# KiCad board Untitled.kicad_pcb (continued)
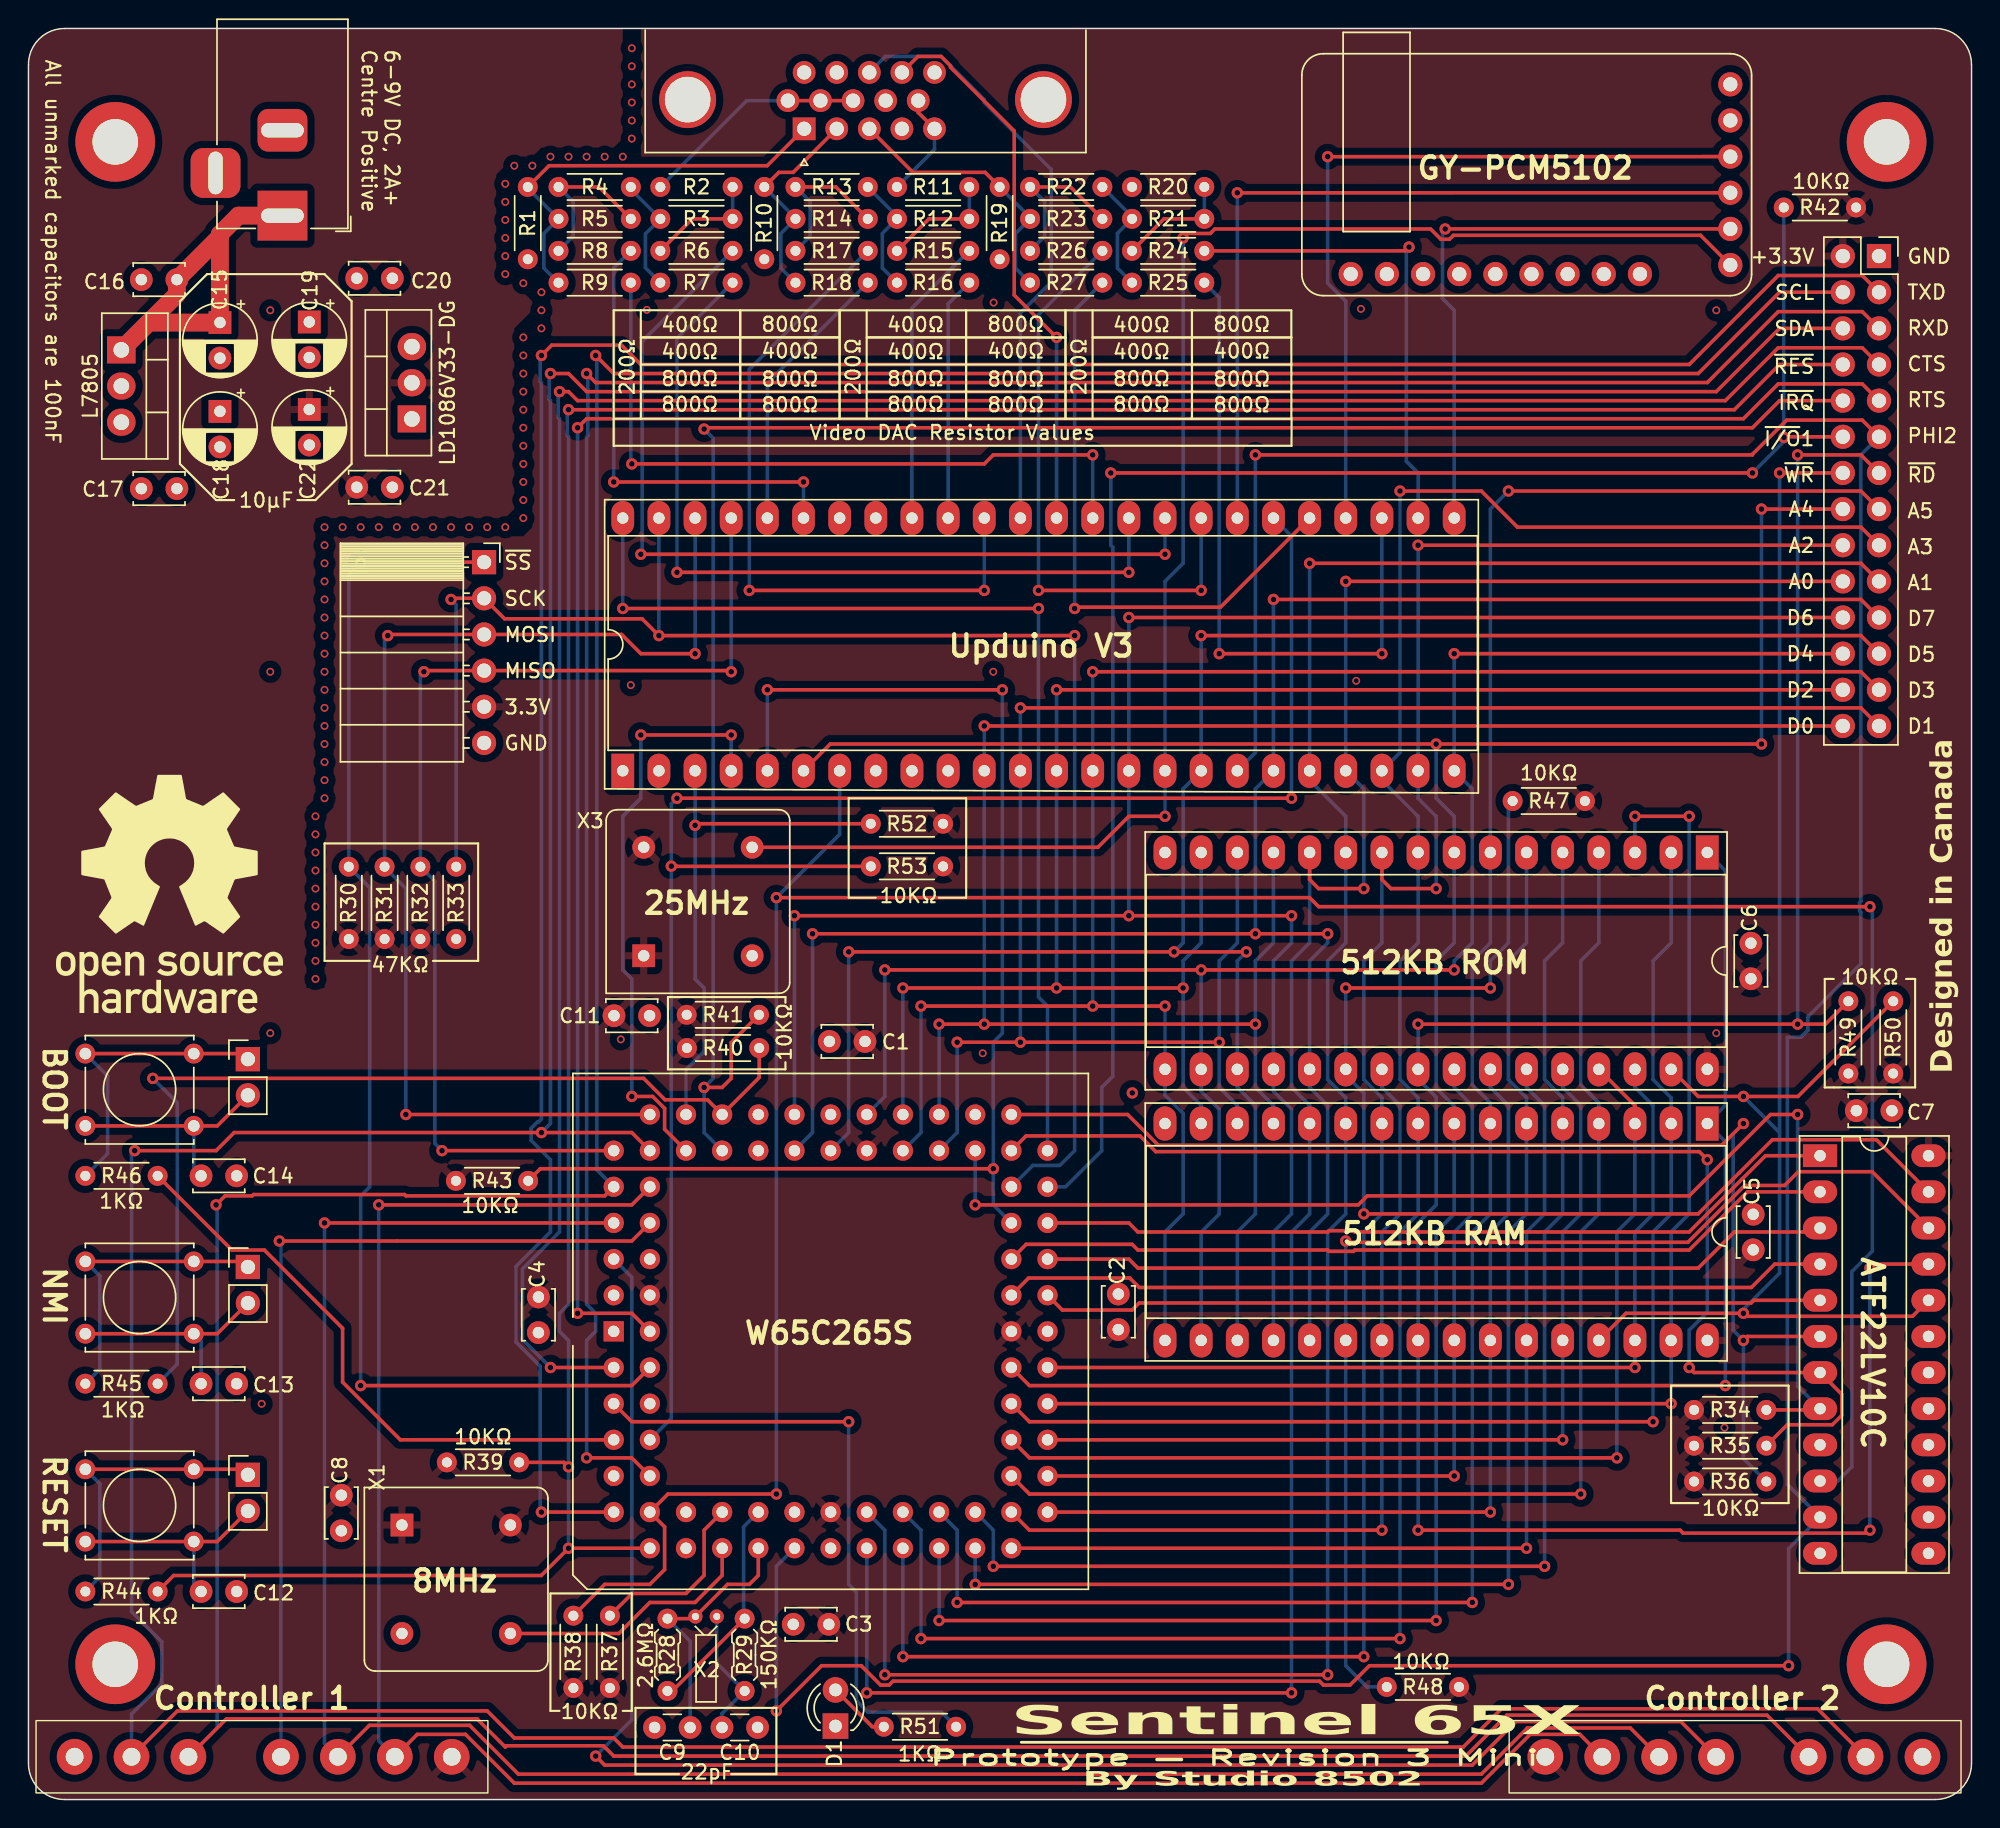
[diagram p0: board, top side]
## Footprints (pads in the part's own frame, mm; a bottom-side part is the same pattern mirrored in y, then rotated) (continued)
R_Axial_DIN0204_L3.6mm_D1.6mm_P5.08mm_Horizontal
  round 1.4 hole 0.7: 1(0,0)
  oval 1.4x1.4 hole 0.7: 2(5.08,0)
SNES Controller Port (Female, 90º, THT)
  round 2.5 hole 1.25: 1(-15.24,0) 2(-11.24,0) 3(-7.24,0) 4(-3.24,0) 5(3.26,0) 6(7.26,0) 7(11.26,0)
SW_Tactile_Straight_KSA0Axx1LFTR
  round 1.397 hole 0.813: 1(0,0) 1(7.62,0) 2(0,-5.08) 2(7.62,-5.08)
TO-220-3_Vertical
  rect 1.905x2 hole 1.1: 1(0,0)
  oval 1.905x2 hole 1.1: 2(2.54,0) 3(5.08,0)

## Nets
+3.3V: C1.1 C2.1 C3.1 C4.1 C5.1 C6.1 C7.1 C8.1 C11.1 C21.1 C22.1 J1.2 J3.1 J4.1 J5.5 R30.1 R31.1 R32.1 R34.1 R35.1 R36.1 R37.1 R38.1 R39.1 R40.1 R41.1 R42.1 R43.1 R47.1 R48.1 R49.1 R50.1 R52.1 R53.1 U1.23 U1.44 U1.63 U1.84 U2.32 U3.32 U4.24 U8.2 X1.1 X1.8 X3.1 X3.8
+5V: C17.1 C18.1 C19.1 C20.1 U5.8 U6.6 U7.3 U8.3
GND: C1.2 C2.2 C3.2 C4.2 C5.2 C6.2 C7.2 C8.2 C9.2 C10.2 C11.2 C12.2 C13.2 C14.2 C15.2 C16.2 C17.2 C18.2 C19.2 C20.2 C21.2 C22.2 D1.1 H1.1 H2.1 H3.1 H4.1 J1.1 J2.0 J2.5 J2.6 J2.7 J2.8 J2.10 J3.7 J4.7 J5.6 J9.2 R1.2 R2.1 R10.2 R11.1 R19.2 R20.1 R33.2 U1.1 U1.22 U1.43 U1.64 U2.16 U3.16 U4.12 U5.1 U5.10 U5.42 U6.5 U7.2 U8.1 X1.4 X3.4
/A0: J1.20 U1.24 U2.12 U3.12 U5.21
/A1: J1.19 U1.25 U2.11 U3.11 U5.20
/A2: J1.18 U1.26 U2.10 U3.10 U5.23
/A3: J1.17 U1.27 U2.9 U3.9 U5.22
/A4: J1.16 U1.28 U2.8 U3.8 U5.6
/A5: J1.15 U1.29 U2.7 U3.7
/A6: U1.30 U2.6 U3.6
/A7: U1.31 U2.5 U3.5
/A8: U1.32 U2.27 U3.27
/A9: U1.33 U2.26 U3.26
/A10: U1.34 U2.23 U3.23
/A11: U1.35 U2.25 U3.25
/A12: U1.36 U2.4 U3.4
/A13: U1.37 U2.28 U3.28
/A14: U1.38 U2.3 U3.29
/A15: U1.39 U2.31 U3.3
/A16: U1.40 U2.2 U3.2
/A17: U1.41 U2.30 U3.30
/A18: U1.42 U2.1 U3.1
/A19: U1.45 U4.5
/A20: U1.46 U4.4
/A21: U1.47 U4.3
/A22: U1.48 U4.2
/A23: U1.49 U4.1
/ADATA: U5.31 U6.3
/B0: R24.2 U5.26
/B1: R25.2 U5.27
/B2: R26.2 U5.32
/B3: R27.2 U5.29
/BCK: U5.25 U6.2
/BE: R37.2 U1.17
/BL1: R51.2 U1.5
/BLUE: J2.3 R19.1 R23.1 R27.1
/CDONE: U1.73 U5.4
/CLK: C9.1 R28.2 U1.18 X2.1
/CLKO: R28.1 R29.1 U1.19
/CTS: J1.7 U1.3
/D0: J1.28 U1.58 U2.13 U3.13 U5.11
/D1: J1.27 U1.59 U2.14 U3.14 U5.12
/D2: J1.26 U1.60 U2.15 U3.15 U5.13
/D3: J1.25 U1.61 U2.17 U3.17 U5.14
/D4: J1.24 U1.62 U2.18 U3.18 U5.24
/D5: J1.23 U1.65 U2.19 U3.19 U5.17
/D6: J1.22 U1.66 U2.20 U3.20 U5.15
/D7: J1.21 U1.67 U2.21 U3.21 U5.19
/FCLK: U1.16 X1.5
/FPGA_MISO: J5.4 R32.2 U1.75 U5.45
/FPGA_MOSI: J5.3 R31.2 U1.74 U5.46
/FPGA_SCK: J5.2 R33.1 U1.52 U5.47
/G0: R15.2 U5.40
/G1: R16.2 U5.39
/G2: R17.2 U5.38
/G3: R18.2 U5.44
/GREEN: J2.2 R10.1 R14.1 R18.1
/HSYNC: J2.13 U5.37
/I2C_SCL: J1.4 J3.5 J4.5 U1.77
/I2C_SDA: J1.6 J3.6 J4.6 U1.76
/LRCK: U5.28 U6.4
/PHI2: J1.11 U1.20 U4.11 U5.18
/R0: R6.2 U5.33
/R1: R7.2 U5.34
/R2: R8.2 U5.43
/R3: R9.2 U5.35
/R/~{W}: R38.2 U1.13 U4.10 U5.7
/RED: J2.1 R1.1 R5.1 R9.1
/RTS: J1.9 U1.2
/RXD: J1.5 U1.10
/SNES_CLK: J3.2 J4.2 U1.78
/SNES_DATA0: J3.4 U1.80
/SNES_DATA1: J4.4 U1.81
/SNES_LATCH: J3.3 J4.3 U1.79
/SYSCLK: U5.16 U6.1 X3.5
/TXD: J1.3 U1.11
/VSYNC: J2.14 U5.36
/~{BOOT_SEL}: R46.2 U1.7
/~{CS4}: R36.2 U1.54 U4.6
/~{CS5}: R35.2 U1.55 U4.7
/~{CS7}: R34.2 U1.57 U4.8
/~{FLASH_SS}: U1.53 U5.48
/~{FPGA_RESET}: R52.2 U1.72 U5.3
/~{I/O}0: R43.2 U1.50 U5.5
/~{I/O}1: J1.12 R42.2 U1.51
/~{IRQ}: J1.10 R41.2 U1.71
/~{NMI}: R40.2 R45.2 U1.70
/~{RAM}: R48.2 U2.22 U4.22
/~{RD}: J1.13 R49.2 U2.24 U3.24 U4.21
/~{RES}: J1.8 R39.2 R44.2 U1.12
/~{ROM}: R47.2 U3.22 U4.23
/~{SD_SS}: J5.1 R30.2 U1.4
/~{VIRQ}: R53.2 U1.8 U5.30
/~{WR}: J1.14 R50.2 U2.29 U3.31 U4.20
Net-(C10-Pad1): C10.1 R29.2 X2.2
Net-(D1-A): D1.2 R51.1
Net-(J6-Pin_1): J6.1 R44.1 SW1.1
Net-(J6-Pin_2): C12.1 J6.2 SW1.2
Net-(J7-Pin_1): J7.1 R45.1 SW2.1
Net-(J7-Pin_2): C13.1 J7.2 SW2.2
Net-(J8-Pin_1): J8.1 R46.1 SW3.1
Net-(J8-Pin_2): C14.1 J8.2 SW3.2
Net-(R2-Pad2): R2.2 R3.2 R6.1
Net-(R3-Pad1): R3.1 R4.2 R7.1
Net-(R4-Pad1): R4.1 R5.2 R8.1
Net-(R11-Pad2): R11.2 R12.2 R15.1
Net-(R12-Pad1): R12.1 R13.2 R16.1
Net-(R13-Pad1): R13.1 R14.2 R17.1
Net-(R20-Pad2): R20.2 R21.2 R24.1
Net-(R21-Pad1): R21.1 R22.2 R25.1
Net-(R22-Pad1): R22.1 R23.2 R26.1
Net-(U7-IN): C15.1 C16.1 J9.1 U7.1

Pads without a net: J2 4 9 11 12 15; J9 3; U1 6 9 14 15 21 56 68 69 82 83; U4 9 13 14 15 16 17 18 19; U5 2 9 41; U6 7 8 9 10 11 12 13 14 15

## Via types
v1: diameter 0.55, hole 0.35, Top to Bottom, 85 vias
v2: diameter 0.8, hole 0.4, Top to Bottom, 169 vias

## Routing (per net, layer and track width the routed paths; a pad name or vN(x,y) marks a point on that pad's centre or on a via; arc(x,y) is an arc through that point)
+3.3V: length 109.8
  In2.Cu w0.5: C4.1 37.25,36.73 42.37,36.73 U1.84 ; C4.1 30.03,41.11 R43.1 ; C4.1 29.4,28.88 R39.1 ; R36.1 R35.1 R34.1 117.96,28.31 U2.32 117.96,35.4 C5.1 122.43,39.88 122.43,44.69 126.15,48.41 C7.1 ; R52.1 64.26,58.65 61.79,56.18 61.68,56.18 C1.1 60.28,51.77 60.28,46.98 U1.63 ; C2.1 75.29,31.74 70.22,31.74 U1.44 ; 56.36,20.2 55.09,18.93 55.09,13.46 C3.1
+5V: length 32.4
  In2.Cu w0.5: U5.8 61.47,70.36 65.25,70.36 77.57,58.04 v2(77.56,49.66) 77.57,49.69
GND: length 23.7
  Top w0.25: J2.8 J2.6 ; J2.5 62.52,118.55 J2.10
  Bottom w0.25: J2.5 63.66,115.96 R11.1 ; R2.1 50.46,119.39 J2.6
  vias: v1(16.38,27.81) v1(16.99,104.65) v1(16.99,79.25) v1(16.99,53.85) v1(20.17,69.09) v1(20.17,67.82) v1(20.17,66.55) v1(20.17,65.28) v1(20.17,64.01) v1(20.17,62.74) v1(20.17,61.47) v1(20.17,60.2) v1(20.17,58.93) v1(20.17,57.66) v1(20.8,89.41) v1(20.8,88.14) v1(20.8,86.87) v1(20.8,85.6) v1(20.8,84.33) v1(20.8,83.06) v1(20.8,81.79) v1(20.8,80.52) v1(20.8,79.25) v1(20.8,77.98) v1(20.8,76.71) v1(20.8,75.44) v1(20.8,74.17) v1(20.8,72.9) v1(20.8,71.63) v1(20.8,70.36) v1(22.07,89.41) v1(23.34,89.41) v1(24.61,89.41) v1(25.88,89.41) v1(27.15,89.41) v1(28.42,89.41) v1(29.69,89.41) v1(30.96,89.41) v1(32.23,89.41) v1(33.5,113.54) v1(33.5,112.27) v1(33.5,111) v1(33.5,109.73) v1(33.5,108.46) v1(33.5,107.19) v1(33.5,89.41) v1(34.14,114.81) v1(34.77,106.56) v1(34.77,102.75) v1(34.77,101.48) v1(34.77,100.21) v1(34.77,98.94) v1(34.77,97.67) v1(34.77,96.4) v1(34.77,95.13) v1(34.77,93.86) v1(34.77,92.59) v1(34.77,91.32) v1(34.77,90.05) v1(35.41,114.81) v1(36.04,105.92) v1(36.04,104.65) v1(36.04,103.38) v1(36.68,115.45) v1(37.95,115.45) v1(39.22,115.45) v1(40.49,115.45) v1(41.62,53.42) v1(41.76,115.45) v1(42.32,78.31) v1(42.39,123.07) v1(42.39,121.8) v1(42.39,120.53) v1(42.39,119.26) v1(42.39,117.99) v1(42.39,116.72) v1(43.45,104.68) v1(67.05,52.44) v1(67.81,105.2) v1(67.79,79.25) v1(93.29,78.62) v1(93.62,104.75) v1(118.59,104.65) v1(118.59,53.85) v1(119.17,26.14)
/A0: length 163.7
  Top w0.25: U3.12 90.02,64.65 90.65,64.01 v2(93.83,64.01) ; J1.20 v2(92.56,85.6) ; v2(58.9,7.5) v2(88.75,7.5)
  Bottom w0.25: v2(88.75,7.5) 88.75,39.88 90.02,41.15 U2.12 90.02,48.77 88.75,50.04 88.75,58.93 90.02,60.2 U3.12 ; v2(93.83,64.01) 93.83,71.02 U5.21 v2(92.56,85.6) ; U1.24 v2(58.9,7.5)
/A1: length 163.7
  Top w0.25: v2(90.02,86.87) 128.75,86.87 J1.19 ; v2(60.17,8.77) v2(91.29,8.77)
  Bottom w0.25: 58.9,20.2 60.17,18.93 v2(60.17,8.77) ; v2(90.02,86.87) U5.20 ; 90.02,71.63 92.56,69.09 U3.11 92.56,60.2 91.29,58.93 91.29,50.59 92.56,49.32 U2.11 92.56,41.15 91.29,39.88 v2(91.29,8.77)
/A2: length 158.6
  Top w0.25: U3.10 95.1,64.65 95.73,64.01 v2(98.91,64.01) ; J1.18 v2(97.64,88.14) ; v2(61.44,10.04) v2(93.83,10.04)
  Bottom w0.25: U3.10 95.1,60.2 93.83,58.93 93.83,50.59 95.1,49.32 U2.10 95.1,41.15 93.83,39.88 v2(93.83,10.04) ; v2(98.91,64.01) 98.91,69.09 97.64,70.36 U5.23 v2(97.64,88.14) ; U1.26 v2(61.44,10.04)
/A3: length 161.4
  Top w0.25: v2(62.71,11.31) v2(96.37,11.31) ; v2(96.37,91.95) 102.08,91.95 104.62,89.41 128.75,89.41 J1.17
  Bottom w0.25: v2(96.37,91.95) 96.37,73.56 U5.22 ; 95.1,71.63 97.64,69.09 U3.9 97.64,60.2 96.37,58.93 96.37,50.59 97.64,49.32 U2.9 97.64,41.15 96.37,39.88 v2(96.37,11.31) ; 61.44,20.2 62.71,18.93 v2(62.71,11.31)
/A4: length 194
  Top w0.25: v2(121.77,90.68) J1.16 ; v2(121.77,74.17) v2(98.91,74.17) 56.34,74.17 U5.6 ; v2(63.98,12.58) v2(98.91,12.58)
  Bottom w0.25: U1.28 v2(63.98,12.58) ; v2(98.91,74.17) 98.91,70.36 100.18,69.09 U3.8 100.18,60.2 98.91,58.93 98.91,50 100.18,48.73 U2.8 100.18,41.15 98.91,39.88 v2(98.91,12.58) ; v2(121.77,74.17) v2(121.77,90.68)
/A5: length 149.8
  Top w0.25: v2(65.25,13.85) v2(101.45,13.85) ; v2(103.99,91.95) 128.75,91.95 J1.15
  Bottom w0.25: 63.98,20.2 65.25,18.93 v2(65.25,13.85) ; v2(103.99,91.95) 102.72,90.68 U3.7 102.72,60.2 101.45,58.93 101.45,50.22 102.72,48.95 U2.7 102.72,41.15 101.45,39.88 v2(101.45,13.85)
/A6: length 93
  Top w0.25: v2(66.52,15.12) v2(103.99,15.12)
  Bottom w0.25: U3.6 105.26,60.2 103.99,58.93 103.99,50.59 105.26,49.32 U2.6 105.26,41.15 103.99,39.88 v2(103.99,15.12) ; U1.30 v2(66.52,15.12)
/A7: length 94.8
  Top w0.25: v2(67.79,16.39) v2(106.53,16.39)
  Bottom w0.25: U3.5 107.8,60.2 106.53,58.93 106.53,50.59 107.8,49.32 U2.5 107.8,41.15 106.53,39.88 v2(106.53,16.39) ; v2(67.79,16.39) 67.79,18.93 66.52,20.2
/A8: length 70.9
  Top w0.25: U1.32 v2(105.26,17.66)
  Bottom w0.25: U3.27 105.26,50.04 106.53,48.77 106.53,41.15 105.26,39.88 U2.27 v2(105.26,17.66)
/A9: length 63.3
  Top w0.25: 71.6,20.2 v2(102.72,20.2)
  Bottom w0.25: U3.26 102.72,50.04 103.99,48.77 103.99,41.15 102.72,39.88 U2.26 v2(102.72,20.2)
/A10: length 60
  Top w0.25: v2(95.1,18.93) 70.33,18.93 69.06,20.2
  Bottom w0.25: v2(95.1,18.93) U2.23 95.1,39.88 96.37,41.15 96.37,48.77 95.1,50.04 U3.23
/A11: length 58.2
  Top w0.25: U1.35 v2(100.18,22.74)
  Bottom w0.25: U3.25 100.18,50.04 101.45,48.77 101.45,41.15 100.18,39.88 U2.25 v2(100.18,22.74)
/A12: length 87.2
  Top w0.25: U1.36 70.33,21.47 v2(109.07,21.47)
  Bottom w0.25: v2(109.07,21.47) 109.07,39.88 110.34,41.15 U2.4 110.34,48.95 109.07,50.22 109.07,58.93 110.34,60.2 U3.4
/A13: length 63.3
  Top w0.25: U1.37 v2(107.8,25.28)
  Bottom w0.25: U3.28 107.8,50.04 109.07,48.77 109.07,41.15 107.8,39.88 U2.28 v2(107.8,25.28)
/A14: length 72
  Top w0.25: v2(111.61,24.01) 70.33,24.01 U1.38 ; U3.29 112.88,48.77 U2.3
  Bottom w0.25: v2(111.61,24.01) 111.61,39.88 112.88,41.15 U2.3
/A15: length 92
  Top w0.25: v2(116.69,69.09) v2(112.88,69.09) ; U1.39 v2(115.42,27.82)
  Bottom w0.25: v2(112.88,69.09) U3.3 ; v2(115.42,27.82) U2.31 115.42,39.88 116.69,41.15 v2(116.69,69.09)
/A16: length 87.2
  Top w0.25: v2(114.15,26.55) 70.33,26.55 U1.40
  Bottom w0.25: U3.2 115.42,60.2 114.15,58.93 114.15,50.59 115.42,49.32 U2.2 115.42,41.15 114.15,39.88 v2(114.15,26.55)
/A17: length 63.3
  Top w0.25: 71.6,30.36 v2(112.88,30.36)
  Bottom w0.25: U3.30 112.88,50.04 114.15,48.77 114.15,41.15 112.88,39.88 U2.30 v2(112.88,30.36)
/A18: length 89.7
  Top w0.25: 69.06,30.36 70.33,29.09 v2(119.23,29.09)
  Bottom w0.25: v2(119.23,29.09) 119.23,46.23 U2.1 119.23,48.77 119.23,65.28 U3.1
/A19: length 55
  Top w0.25: U1.45 72.64,34.4 77.55,34.4 78.04,34.89 121.04,34.89 121.23,35.08 U4.5
/A20: length 58.3
  Top w0.25: U4.4 122.69,37.62 121.05,35.98 78.04,35.98 77.38,36.65 70.27,36.65 U1.46
/A21: length 55.3
  Top w0.25: 71.6,37.98 77.32,37.98 77.95,37.34 117.32,37.34 119.86,39.88 125.6,39.88
/A22: length 59.2
  Top w0.25: 69.06,37.98 70.1,39.02 77.55,39.02 77.95,38.61 91.29,38.61 91.38,38.52 93.1,38.52 93.19,38.61 116.69,38.61 120.78,42.7 U4.2
/A23: length 56.8
  Top w0.25: U4.1 122.05,45.24 120.41,43.6 120.4,43.6 116.68,39.88 93.19,39.88 93.1,39.97 91.38,39.97 91.29,39.88 77.95,39.88 77.32,40.52 71.6,40.52
/ADATA: length 57.5
  Top w0.25: U6.3 v2(84.94,112.91)
  Bottom w0.25: v2(84.94,112.91) U5.31
/B0: length 34
  Top w0.25: v2(97,109.1) 96.73,108.83 R24.2
  Bottom w0.25: U5.26 97.64,93.22 96.81,94.05 96.81,108.91 v2(97,109.1)
/B1: length 47.5
  Top w0.25: v2(83.67,80.52) v2(95.1,80.52)
  Bottom w0.25: R25.2 83.67,105.55 v2(83.67,80.52) ; v2(95.1,80.52) U5.27
/B2: length 42.2
  Top w0.25: v2(70.97,84.97) v2(82.4,84.97)
  Bottom w0.25: R26.2 70.97,104.34 v2(70.97,84.97) ; v2(82.4,84.97) U5.32
/B3: length 42.8
  Top w0.25: v2(73.51,83.7) 73.6,83.79 83.75,83.79 U5.29
  Bottom w0.25: R27.2 73.51,104.65 v2(73.51,83.7)
/BCK: length 40.8
  Top w0.25: U6.2 99.55,110.37 v2(99.54,110.37)
  Bottom w0.25: v2(99.54,110.37) 99.35,110.18 99.35,105.48 100.18,104.65 U5.25
/BE: length 12.8
  Top w0.25: 48.74,20.2 47.47,18.93 47.47,15.75 46.2,14.48 42.42,14.48 40.85,12.92
/BL1: length 44.6
  Top w0.25: v2(57.63,26.55) 42.39,26.55 U1.5
  Bottom w0.25: v2(57.63,26.55) 57.63,15.12 58.17,14.58 58.17,6.96 58.99,6.14 64.15,6.14 R51.2
/BLUE: length 19.2
  Top w0.25: R19.1 67.21,114.35 62.14,114.35 J2.3
  Bottom w0.25: R19.1 70.38,111.19 ; R23.1 69.35,110.05 69.35,107.62 R27.1
/CDONE: length 41.3
  Top w0.25: v2(42.39,49.41) 43.86,49.41 44.7,48.57 44.7,47.1 U1.73 ; v2(43.03,74.81) v2(49.38,74.81)
  Bottom w0.25: v2(42.39,49.41) 42.39,57.66 41.76,58.3 41.76,69.09 43.03,70.36 v2(43.03,74.81) ; v2(49.38,74.81) U5.4
/CLK: length 17.9
  Top w0.25: R28.2 46.71,12.71 X2.1 49.12,15.12 50.65,15.12 51.28,15.75 U1.18
  Bottom w0.25: R28.2 46.49,11.12 C9.1
/CLKO: length 15.5
  Top w0.25: R29.1 45.24,7.63 R28.1
  Bottom w0.25: R29.1 50.25,12.79 50.25,19.16 51.28,20.2
/CTS: length 170
  Top w0.25: J1.7 128.85,102.02 122.94,102.02 119.23,98.3 38.58,98.3 37.95,98.94 v2(37.31,98.94) ; v2(36.68,30.36) 41.12,30.36
  Bottom w0.25: v2(37.31,98.94) 37.22,98.85 37.22,97.12 37.31,97.03 37.31,39.88 34.71,37.28 34.71,32.33 v2(36.68,30.36)
/D0: length 130
  Top w0.25: v2(63.98,54.49) v2(86.21,54.49) ; J1.28 v2(67.16,75.44)
  Bottom w0.25: v2(67.16,75.44) U5.11 v2(67.16,54.49) ; U3.13 87.48,60.2 86.21,58.93 86.21,50.04 87.48,48.77 U2.13 ; 63.98,48.14 v2(63.98,54.49)
/D1: length 131
  Top w0.25: v2(69.7,76.71) 128.75,76.71 J1.27 ; v2(65.25,53.22) v2(83.67,53.22)
  Bottom w0.25: U2.14 84.94,48.77 83.67,50.04 83.67,58.93 84.94,60.2 U3.14 ; v2(65.25,53.22) 65.25,46.87 U1.59 ; v2(69.7,76.71) U5.12 v2(69.7,53.22)
/D2: length 124.9
  Top w0.25: v2(61.44,57.03) v2(81.13,57.03) ; J1.26 v2(72.24,77.98)
  Bottom w0.25: v2(72.24,77.98) U5.13 v2(72.24,57.03) ; 61.44,48.14 v2(61.44,57.03) ; U3.15 82.4,60.2 81.13,58.93 81.13,50.04 82.4,48.77 U2.15
/D3: length 131.6
  Top w0.25: v2(74.78,79.25) 128.75,79.25 J1.25 ; v2(62.71,55.76) v2(79.86,55.76)
  Bottom w0.25: U1.61 62.71,46.87 v2(62.71,55.76) ; U2.17 79.86,39.88 81.13,41.15 81.13,48.23 79.86,49.5 U3.17 v2(79.86,55.76) ; v2(74.78,55.76) U5.14 v2(74.78,79.25)
/D4: length 128.4
  Top w0.25: v2(60.17,58.3) v2(82.4,58.3) v2(100.18,58.3) ; J1.24 v2(100.18,80.52)
  Bottom w0.25: v2(100.18,80.52) U5.24 101.45,71.02 101.45,60.2 100.18,58.93 v2(100.18,58.3) ; v2(60.17,58.3) 60.17,49.41 58.9,48.14 ; v2(82.4,58.3) U3.18 82.4,49.77 83.67,48.5 83.67,41.15 82.4,39.88 U2.18
/D5: length 142.2
  Top w0.25: v2(82.4,81.79) 128.75,81.79 J1.23 ; v2(57.63,59.57) v2(85.57,59.57)
  Bottom w0.25: v2(85.57,59.57) 84.94,58.93 U3.19 84.94,50.04 86.21,48.77 86.21,41.15 84.94,39.88 U2.19 ; v2(57.63,59.57) 57.63,46.87 U1.65 ; v2(82.4,81.79) U5.17 81.13,71.02 81.13,60.2 v2(80.49,59.57)
/D6: length 151.4
  Top w0.25: v2(77.32,83.06) J1.22 ; v2(53.82,62.11) v2(88.75,62.11)
  Bottom w0.25: v2(77.32,62.11) U5.15 v2(77.32,83.06) ; U2.20 87.48,39.88 88.75,41.15 88.75,48.5 87.48,49.77 U3.20 87.48,58.93 88.75,60.2 v2(88.75,62.11) ; 53.82,48.14 v2(53.82,62.11)
/D7: length 149.2
  Top w0.25: v2(55.09,60.84) v2(91.29,60.84) ; v2(87.48,84.33) 128.75,84.33 J1.21
  Bottom w0.25: v2(87.48,84.33) U5.19 86.21,71.02 v2(86.21,60.84) ; v2(55.09,60.84) 55.09,46.87 U1.67 ; U2.21 90.02,39.88 91.29,41.15 91.29,48.77 90.02,50.04 U3.21 90.02,58.93 91.29,60.2 v2(91.29,60.84)
/FCLK: length 18.5
  Top w0.25: U1.16 48.74,15.75 46.84,13.85 43.66,13.85 41.48,11.67 X1.5
/FPGA_MISO: length 78.9
  Top w0.25: v2(49.38,79.25) 49.3,79.33 J5.4 27.87,79.33 v2(27.79,79.25) ; v2(29.06,45.6) U1.75
  Bottom w0.25: v2(27.79,79.25) 27.54,79.01 R32.2 28.56,64.53 28.56,46.09 v2(29.06,45.6) ; v2(49.38,79.25) U5.45
/FPGA_MOSI: length 83.2
  Top w0.25: v2(26.52,48.14) 43.66,48.14 ; v2(25.25,81.79) 25.33,81.87 J5.3 41.68,81.87 43.03,80.52 v2(46.84,80.52)
  Bottom w0.25: v2(26.52,48.14) 26.51,48.14 26.51,64.02 25.02,65.51 25.02,81.57 v2(25.25,81.79) ; v2(46.84,80.52) U5.46
/FPGA_SCK: length 113.8
  Top w0.25: v2(73.51,81.79) v2(44.3,81.79) 43.12,82.97 33.45,82.97 J5.2 29.77,84.41 v2(29.69,84.33)
  Bottom w0.25: U1.52 70.57,44.56 72.47,44.56 73.51,45.6 v2(73.51,81.79) ; v2(29.69,84.33) 30.05,83.97 R33.1 ; v2(44.3,81.79) U5.47
/G0: length 20.4
  Bottom w0.25: R15.2 62.08,104.81 U5.40
/G1: length 17.2
  Bottom w0.25: R16.2 64.62,105.11 U5.39
/G2: length 48.9
  Top w0.25: v2(50.65,84.97) v2(67.16,84.97)
  Bottom w0.25: v2(50.65,84.97) 50.65,100.51 R17.2 ; v2(67.16,84.97) U5.38
/G3: length 19.5
  Bottom w0.25: U5.44 51.92,99.54 R18.2
/GREEN: length 15.2
  Top w0.25: R10.1 52.73,114.35 53.73,114.35 J2.2
  Bottom w0.25: R14.1 52.87,110.05 52.87,107.62 R18.1 ; R10.1 53.89,111.13
/HSYNC: length 42
  Bottom w0.25: U5.37 69.7,104.47 71.85,106.62 71.85,114.57 67.16,119.26 67.16,119.47 64.13,122.49 60.21,122.49 J2.13
/I2C_SCL: length 336.2
  Top w0.25: J4.5 122.15,5.93 103.87,5.93 101,3.05 41.12,3.05 40.4,3.78 33.59,3.78 33.5,3.69 31.53,5.66 13.9,5.66 J3.5 ; J1.4 123.04,105.92 117.32,100.21 41.12,100.21 v2(39.85,101.48) ; v2(13.18,41.79) 13.82,42.42 15.72,42.42 15.81,42.51 26.43,42.51 26.52,42.42 40.49,42.42 U1.77
  Bottom w0.25: U1.77 39.94,44.24 39.94,101.39 v2(39.85,101.48) ; v2(13.18,41.79) 13.25,41.72 13.25,5.01 J3.5
/I2C_SDA: length 355.3
  Top w0.25: v2(36.68,100.21) 37.95,100.21 39.22,98.94 118.59,98.94 123.04,103.38 J1.6 ; v2(7.47,45.6) 13.18,45.6 14.45,46.87 v2(36.04,46.87) 42.39,46.87 U1.76 ; J3.6 10.47,6.23 32.23,6.23 34.14,4.32 41.12,4.32 41.76,3.69 100.81,3.69 103.5,6.38 125.7,6.38 J4.6
  Bottom w0.25: J3.6 7.24,6 9.37,8.13 9.37,11.08 7.24,13.21 7.24,45.37 v2(7.47,45.6) ; v2(36.68,100.21) 36.59,100.12 36.59,98.39 36.68,98.3 36.68,47.5 v2(36.04,46.87)
/LRCK: length 54.2
  Top w0.25: U6.4 v2(91.29,115.45)
  Bottom w0.25: U5.28 92.56,105.29 91.29,106.56 v2(91.29,115.45)
/PHI2: length 245.3
  Top w0.25: v2(52.55,6.23) 55.73,9.4 58.51,9.4 59.87,8.04 60.47,8.04 60.75,8.32 90.71,8.32 90.99,8.04 92.86,8.04 94.22,9.4 v2(123.67,9.4) ; v2(86.21,94.49) 121.13,94.49 121.13,94.54 123.53,96.94 128.85,96.94 J1.11
  Bottom w0.25: U1.20 52.55,16.39 v2(52.55,6.23) ; v2(123.67,9.4) 123.67,17.63 U4.11 123.58,22.14 123.58,53.57 124.53,53.57 125.03,54.07 125.03,55.02 128.75,58.74 128.75,62.35 128.66,62.44 128.66,63.04 128.75,63.13 128.75,94.49 J1.11 ; U5.18 86.21,73.56 v2(86.21,94.49)
/R0: length 63.4
  Top w0.25: v2(43.03,87.51) v2(79.86,87.51)
  Bottom w0.25: v2(79.86,87.51) U5.33 ; v2(43.03,87.51) 43.12,87.6 43.12,102.47 R6.2
/R1: length 57.5
  Top w0.25: v2(45.57,86.24) v2(77.32,86.24)
  Bottom w0.25: v2(77.32,86.24) U5.34 ; R7.2 45.57,102.69 v2(45.57,86.24)
/R2: length 32.6
  Top w0.25: v2(41.12,92.59) v2(54.46,92.59)
  Bottom w0.25: v2(54.46,92.59) U5.43 ; R8.2 41.12,107.63 v2(41.12,92.59)
/R3: length 49.9
  Top w0.25: v2(74.78,94.49) 67.79,94.49 67.16,93.86 v2(42.39,93.86)
  Bottom w0.25: R9.2 42.32,93.93 v2(42.39,93.86) ; v2(74.78,94.49) U5.35
/R/~{W}: length 194.1
  Top w0.25: v2(52.55,21.47) 44.93,21.47 43.66,20.2 44.7,19.16 44.7,16.16 43.66,15.12 40.49,15.12 R38.2 ; v2(129.39,62.74) 90.65,62.74 90.02,63.38 v2(52.55,63.38)
  Bottom w0.25: v2(129.39,62.74) 129.56,62.57 129.56,38.54 128.12,37.1 128.12,23.37 127.13,22.38 U4.10 ; U5.7 57,67.82 v2(52.55,63.38) v2(52.55,21.47)
/RED: length 29.5
  Top w0.25: J2.1 51.91,114.81 36.58,114.81 R1.1
  Bottom w0.25: R9.1 36.22,107.62 36.22,110.05 R5.1 35.08,113.24
/RTS: length 161
  Top w0.25: v2(38.58,96.4) 39.22,97.03 120.5,97.03 122.94,99.48 128.85,99.48 J1.9 ; U1.2 42.39,34.17 v2(38.58,34.17)
  Bottom w0.25: v2(38.58,96.4) v2(38.58,34.17)
/RXD: length 175.4
  Top w0.25: U1.10 42.39,24.01 v2(39.22,24.01) ; v2(39.22,100.21) 39.85,99.57 117.96,99.57 122.94,104.56 128.85,104.56 J1.5
  Bottom w0.25: v2(39.22,24.01) 39.22,32.26 39.85,32.9 39.85,34.17 39.22,34.8 39.22,95.76 39.31,95.85 39.31,100.12 v2(39.22,100.21)
/SNES_CLK: length 147.8
  Top w0.25: U1.78 42.39,41.79 v2(24.61,41.79) ; J3.2 27.32,4.58 30.71,4.58 34.14,1.15 102.08,1.15 105.51,4.58 109,4.58 J4.2
  Bottom w0.25: J3.2 24.61,4.13 v2(24.61,41.79)
/SNES_DATA0: length 62.9
  Top w0.25: 43.66,40.52 42.39,39.25 v2(17.63,39.25)
  Bottom w0.25: v2(17.63,39.25) 17.74,39.13 J3.4
/SNES_DATA1: length 117.8
  Top w0.25: J4.4 116.1,5.48 104.51,5.48 101.45,2.42 40.49,2.42 v2(39.85,3.05)
  Bottom w0.25: 41.12,37.98 42.39,36.71 42.39,5.59 v2(39.85,3.05)
/SNES_LATCH: length 155.6
  Top w0.25: J3.3 23.95,5.21 31,5.21 34.43,1.78 102.08,1.78 105.33,5.03 112.55,5.03 J4.3 ; 41.12,40.52 v2(20.8,40.52)
  Bottom w0.25: J3.3 20.8,3.94 v2(20.8,40.52)
/SYSCLK: length 111.1
  Top w0.25: X3.5 75.14,66.92 77.32,69.09 v2(79.86,69.09) ; v2(81.13,109.73) 81.45,110.05 83.04,110.05 83.36,110.37 98.52,110.37 99.24,109.64 99.84,109.64 100.12,109.92 117.49,109.92 U6.1
  Bottom w0.25: v2(81.13,109.73) 81.13,86.87 79.86,85.6 U5.16 v2(79.86,69.09)
/TXD: length 187
  Top w0.25: v2(36.04,101.48) 36.77,102.2 41.67,102.2 43.03,100.84 116.69,100.84 122.94,107.1 128.85,107.1 J1.3 ; v2(36.04,20.2) 41.12,20.2
  Bottom w0.25: v2(36.04,20.2) 35.95,20.29 35.95,30.45 34.26,32.14 34.26,37.47 36.68,39.89 36.68,44.96 35.32,46.32 35.32,47.17 35.74,47.59 35.81,47.59 36.04,47.82 36.04,99.57 35.95,99.66 35.95,101.39 v2(36.04,101.48)
/VSYNC: length 39
  Top w0.25: J2.14 62.5,122.49 64.13,122.49 64.79,121.84 64.79,121.73 69.26,117.26 69.26,105.72 v2(72.24,102.75)
  Bottom w0.25: U5.36 v2(72.24,102.75)
/~{BOOT_SEL}: length 41.9
  Top w0.25: 9.08,43.83 14.29,38.61 16.58,38.61 22.07,33.12 22.07,29.33 26.13,25.28 U1.7
/~{CS4}: length 84.9
  Top w0.25: U4.6 120.78,32.54 v2(120.5,32.26) ; 69.06,48.14 77.23,48.14 79.39,45.98 118.97,45.98 v2(120.5,47.5)
  Bottom w0.25: 122.11,22.35 120.5,23.96 v2(120.5,32.26) 119.77,32.99 119.77,46.78 v2(120.5,47.5)
/~{CS5}: length 84.4
  Top w0.25: v2(117.96,44.96) 117.39,45.53 79.2,45.53 78.1,46.64 70.1,46.64 U1.55 ; 122.11,24.86 123.58,26.34 126.75,26.34 127.41,27 127.41,28.48 U4.7 117.04,30 v2(116.69,30.36)
  Bottom w0.25: v2(117.96,44.96) 117.96,34.26 116.69,32.99 v2(116.69,30.36) 116.69,30.28
/~{CS7}: length 89.4
  Top w0.25: v2(66.52,41.79) 93.44,41.79 94.07,42.42 116.69,42.42 122.4,48.14 v2(124.31,48.14) ; 122.11,27.38 125.8,27.38 U4.8
  Bottom w0.25: U4.8 124.31,29.04 v2(124.31,48.14) ; U1.57 v2(66.52,41.79)
/~{FLASH_SS}: length 73.9
  Top w0.25: v2(70.97,83.7) v2(41.76,83.7)
  Bottom w0.25: U1.53 71.6,55.76 70.97,56.39 v2(70.97,83.7) ; v2(41.76,83.7) U5.48
/~{FPGA_RESET}: length 37.3
  Top w0.25: R52.2 46.95,68.57 v2(46.84,68.46)
  Bottom w0.25: 46.2,48.14 46.2,51.3 47.47,52.57 47.47,57.03 46.84,57.66 U5.3
/~{I/O}0: length 93.5
  Top w0.25: v2(68.43,77.98) v2(51.92,77.98) ; R43.2 35.96,44.33 v2(67.79,44.33)
  Bottom w0.25: v2(51.92,77.98) U5.5 ; v2(68.43,77.98) 68.43,53.85 67.79,53.22 67.79,41.79 69.06,40.52
/~{I/O}1: length 121.7
  Top w0.25: v2(76.05,93.22) v2(121.13,93.22) ; J1.12 123.38,95.76 v2(123.34,95.72)
  Bottom w0.25: v2(121.13,93.22) 123.33,95.42 123.33,95.71 v2(123.34,95.72) 123.33,95.73 R42.2 ; v2(76.05,93.22) 76.05,88.14 76.19,88 76.19,50.82 75.41,50.04 75.41,45.6 72.87,43.06 U1.51
/~{IRQ}: length 140
  Top w0.25: R41.2 49.38,53.2 49.38,50.68 48.74,50.04 v2(47.47,50.04) ; v2(47.47,96.31) 47.56,96.4 121.13,96.4 123.04,98.3 J1.10
  Bottom w0.25: v2(47.47,96.31) 48.11,95.68 48.11,50.68 v2(47.47,50.04) 47.47,46.87 U1.71
/~{NMI}: length 70.1
  Top w0.25: 48.74,48.14 51.34,50.74 R40.2 ; 48.74,48.14 47.71,49.18 44.73,49.18 43.22,50.68 v2(8.74,50.68) ; 48.74,48.14 48.18,48.14
  Bottom w0.25: 9.08,29.22 10.46,30.6 10.46,48.96 v2(8.74,50.68)
/~{RAM}: length 78
  Top w0.25: U4.22 129.55,44.12 124.36,44.12 123.39,43.15 120.59,43.15 116.6,39.16 92.65,39.16 v2(92.56,39.25)
  Bottom w0.25: v2(92.56,39.25) U2.22 92.56,9.4 94.05,7.91 R48.2
/~{RD}: length 167.7
  Top w0.25: v2(129.39,37.34) 129.67,37.62 U4.21 ; R49.2 126.26,54.49 v2(124.31,54.49) v2(97.64,54.49) ; v2(97.64,18.93) 116.05,18.93 116.26,18.72 129.18,18.72 v2(129.39,18.93) ; J1.13 128.75,94.49 v2(124.31,94.49)
  Bottom w0.25: v2(129.39,18.93) v2(129.39,37.34) ; v2(124.31,54.49) v2(124.31,94.49) ; v2(97.64,18.93) U2.24 97.64,40.52 98.91,41.79 98.91,49.37 97.64,50.64 ; U3.24 v2(97.64,54.49)
/~{RES}: length 210.9
  Top w0.25: J1.8 123.04,100.84 119.86,97.67 v2(37.95,97.67) ; v2(37.95,23.37) 37.63,23.69 34.48,23.69 ; U1.12 v2(37.95,17.66) 36.03,15.74 10.2,15.74 9.08,14.62
  Bottom w0.25: v2(37.95,17.66) 37.95,32.26 37.31,32.9 37.31,34.17 37.95,34.8 37.95,95.76 37.86,95.85 37.86,97.58 v2(37.95,97.67)
/~{ROM}: length 83.3
  Top w0.25: U4.23 129.84,46.37 122.54,46.37 120.22,44.05 120.22,44.05 117.32,41.15 v2(93.83,41.15) ; v2(102.72,57.03) v2(92.56,57.03)
  Bottom w0.25: 92.56,50.91 93.83,49.64 v2(93.83,41.15) ; v2(92.56,57.03) U3.22 ; R47.2 103.99,69.87 103.99,60.2 102.72,58.93 v2(102.72,57.03)
/~{SD_SS}: length 88.6
  Top w0.25: J5.1 23.42,86.95 v2(23.34,86.87) ; v2(23.34,29.09) 42.39,29.09 43.66,30.36
  Bottom w0.25: v2(23.34,29.09) 23.34,42.42 23.98,43.06 23.98,64.08 R30.2 22.51,86.04 v2(23.34,86.87)
/~{VIRQ}: length 123.3
  Top w0.25: v2(88.75,70.36) v2(45.57,70.36) ; 45.18,65.58 45.17,65.58 45.56,65.58 45.57,65.58 R53.2
  Bottom w0.25: U5.30 88.75,88.78 v2(88.75,70.36) ; v2(45.57,70.36) 45.17,69.96 45.17,65.6 v2(45.17,65.59) 45.17,65.59 45.17,26.78 U1.8
/~{WR}: length 111.8
  Top w0.25: J1.14 v2(123.04,93.22) ; U2.29 112.24,34.17 v2(120.5,34.17) 120.71,33.96 132.38,33.96 U4.20 ; U3.31 117.32,49.41 v2(120.5,49.41) 124.33,49.41 R50.2
  Bottom w0.25: v2(120.5,34.17) 120.5,34.44 123.04,36.98 123.04,46.87 ; 123.04,46.87 v2(120.5,49.41) ; 123.04,46.87 v2(123.04,93.22)
Net-(C10-Pad1): length 9.3
  Bottom w0.25: C10.1 48.73,6.04 R29.2 48.36,9.59 X2.2
Net-(D1-A): length 4.5
  Top w0.25: D1.2 59.29,5.11 R51.1
Net-(J6-Pin_1): length 21
  Top w0.25: SW1.1 SW1.1 15.03,23.21 J6.1
  Bottom w0.25: SW1.1 5.02,22.19 5.02,15.64 R44.1
Net-(J6-Pin_2): length 16
  Top w0.25: SW1.2 SW1.2 13.27,18.13 J6.2
  Bottom w0.25: SW1.2 11.62,15.13 C12.1
Net-(J7-Pin_1): length 21
  Top w0.25: SW2.1 SW2.1 15.03,37.81 J7.1
  Bottom w0.25: SW2.1 5.02,36.79 5.02,30.25 R45.1
Net-(J7-Pin_2): length 16
  Top w0.25: J7.2 13.27,32.73 SW2.2 SW2.2
  Bottom w0.25: C13.1 12.13,32.22 SW2.2
Net-(J8-Pin_1): length 21.5
  Top w0.25: SW3.1 SW3.1 15.03,52.42 J8.1
  Bottom w0.25: R46.1 5.56,45.39 5.56,50.85 SW3.1
Net-(J8-Pin_2): length 16
  Top w0.25: SW3.2 SW3.2 13.27,47.34 J8.2
  Bottom w0.25: C14.1 11.62,44.34 SW3.2
Net-(R2-Pad2): length 8.3
  Top w0.25: R6.1 46.64,111.08 R3.2
  Bottom w0.25: R3.2 R2.2
Net-(R3-Pad1): length 8.3
  Bottom w0.25: 42.32,113.15 R3.1 43.35,110.03 43.35,107.64 R7.1
Net-(R4-Pad1): length 11.3
  Top w0.25: R5.2 40.08,113.32 R4.1
  Bottom w0.25: R4.1 38.27,112.3 38.27,109.86 R8.1
Net-(R11-Pad2): length 8.3
  Top w0.25: R12.2 63.27,111.08 R15.1
  Bottom w0.25: R11.2 R12.2
Net-(R12-Pad1): length 8.2
  Bottom w0.25: R13.2 61.02,111.27 ; R16.1 60,107.62 60,110.05 R12.1
Net-(R13-Pad1): length 11.3
  Top w0.25: R14.2 56.73,113.32 R13.1
  Bottom w0.25: R17.1 54.92,109.86 54.92,112.3 R13.1
Net-(R20-Pad2): length 8.3
  Top w0.25: R21.2 79.79,111.08 R24.1
  Bottom w0.25: R21.2 R20.2
Net-(R21-Pad1): length 8.3
  Bottom w0.25: R22.2 77.54,111.24 ; R21.1 76.51,110.05 76.51,107.62 R25.1
Net-(R22-Pad1): length 11.3
  Top w0.25: R23.2 73.21,113.32 R22.1
  Bottom w0.25: R26.1 71.4,109.86 71.4,112.3 R22.1
Net-(U7-IN): length 29.9
  Top w1.25: 13.45,110.01 C15.1 8.45,103.79 U7.1 10.43,105.78 C16.1 13.45,109.84 13.45,110.01 ; 13.45,110.01 14.75,111.3 J9.1

## Copper pours and planes (outline as drawn; the poured copper is in the pictures)
+3.3V on Top: -0.79,124.97 -0.79,-0.76 137.01,-0.76 137.01,124.97
+5V on Bottom: -0.79,124.97 -0.79,-0.76 137.01,-0.76 137.01,124.97
GND on In1.Cu: -0.79,124.97 -0.79,-0.76 137.01,-0.76 137.01,124.97
GND on In2.Cu: -0.79,124.97 -0.79,-0.76 137.01,-0.76 137.01,124.97

## Text on the board
B.Silkscreen: JLCJLCJLCJLC
F.Silkscreen: 1KΩ | 10µF | 47KΩ | 10KΩ | ~{SS} | SCK | MOSI | MISO | 3.3V | GND | 400Ω | 800Ω | 22pF | Video DAC Resistor Values | TXD | RXD | CTS | RTS | PHI2 | ~{RD} | A5 | A3 | A1 | D7 | D5 | D3 | D1 | +3.3V | SCL | SDA | ~{RES} | ~{IRQ} | ~{I/O}1 | ~{WR} | A4 | A2 | A0 | D6 | D4 | D2 | D0 | 200Ω | All unmarked capacitors are 100nF | 6-9V DC, 2A+ / Centre Positive | BOOT | NMI | RESET | Controller 1 | 8MHz | 25MHz | W65C265S | Upduino V3 | 512KB ROM | 512KB RAM | GY-PCM5102 | Controller 2 | ATF22LV10C | Designed in Canada | Prototype — Revision 3 Mini | Sentinel 65X | By Studio 8502
